# KiCad board W1-AT PCB.kicad_pcb
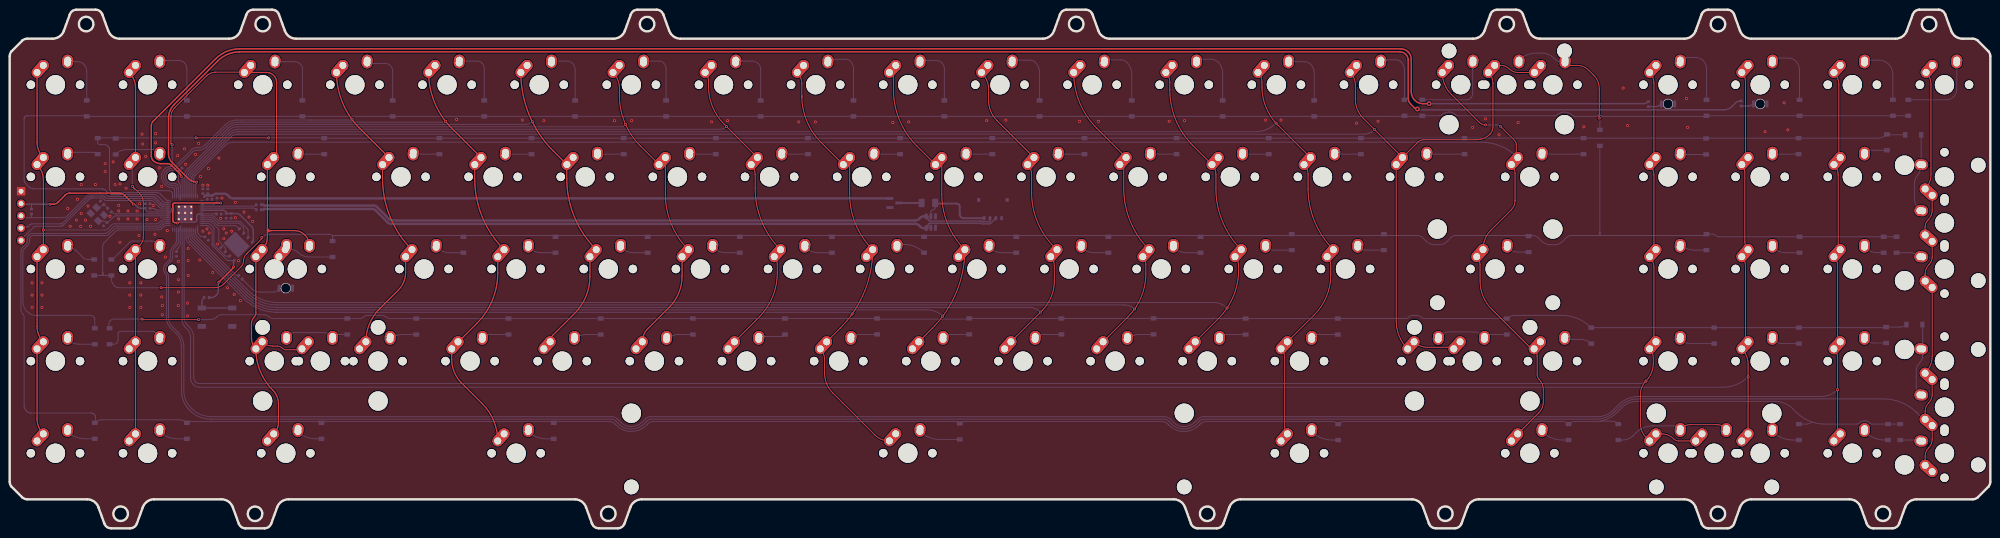
[diagram p0: board, top side]
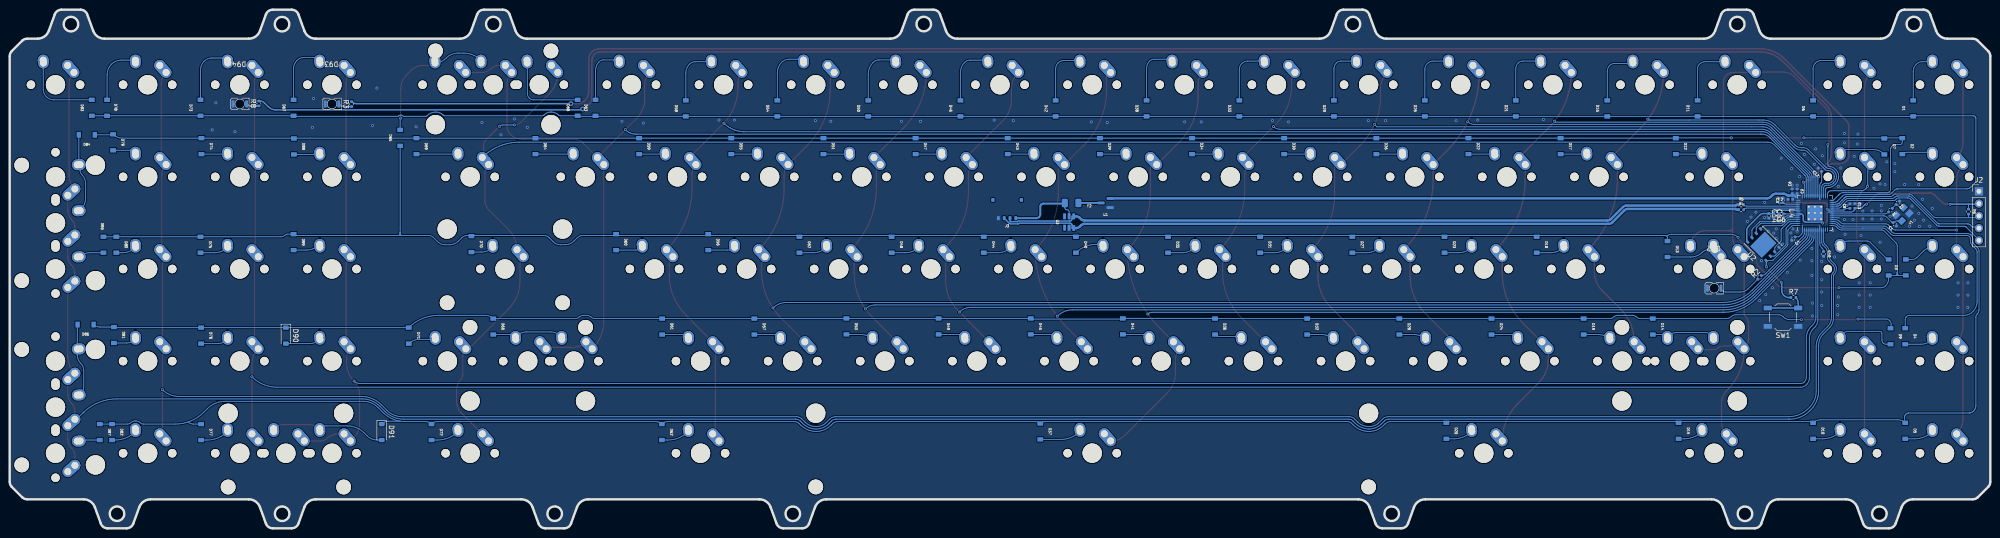
[diagram p1: board, bottom side, seen from below]

Outline 409.47 x 107.25 mm; copper layers: Top, Bottom. Coordinates in mm from the lower left corner of the outline.
Outline path: circle c15.81,104.27 r1.5 ; circle c22.94,3.02 r1.5 ; circle c50.73,3 r1.5 ; circle c52.32,104.26 r1.5 ; circle c123.76,3.02 r1.5 ; circle c131.77,104.26 r1.5 ; circle c220.49,104.27 r1.5 ; circle c247.57,3.01 r1.5 ; circle c296.79,3.02 r1.5 ; circle c309.49,104.27 r1.5 ; circle c353.14,3.01 r1.5 ; circle c353.16,104.25 r1.5 ; circle c387.27,3.02 r1.5 ; circle c396.8,104.26 r1.5 ; 0,97.63 0,9.62 arc(0.11,9.05) 0.44,8.56 2.56,6.44 arc(3.05,6.11) 3.62,6 16,6 arc(17.43,5.55) 18.35,4.36 19.57,0.99 arc(20.12,0.27) 20.98,0 24.88,0 arc(25.74,0.27) 26.29,0.99 27.52,4.36 arc(28.43,5.55) 29.87,6 43.78,6 arc(45.21,5.55) 46.13,4.36 47.36,0.99 arc(47.9,0.27) 48.77,0 52.66,0 arc(53.53,0.27) 54.07,0.99 55.3,4.36 arc(56.22,5.55) 57.65,6 116.81,6 arc(118.24,5.55) 119.15,4.36 120.38,0.99 arc(120.93,0.27) 121.79,0 125.69,0 arc(126.55,0.27) 127.1,0.99 128.33,4.36 arc(129.24,5.55) 130.67,6 240.63,6 arc(242.06,5.55) 242.98,4.36 244.21,0.99 arc(244.75,0.27) 245.62,0 249.51,0 arc(250.38,0.27) 250.92,0.99 252.15,4.36 arc(253.07,5.55) 254.5,6 289.84,6 arc(291.28,5.55) 292.19,4.36 293.42,0.99 arc(293.97,0.27) 294.83,0 298.73,0 arc(299.59,0.27) 300.14,0.99 301.36,4.36 arc(302.28,5.55) 303.71,6 346.2,6 arc(347.63,5.55) 348.55,4.36 349.77,0.99 arc(350.32,0.27) 351.18,0 355.08,0 arc(355.94,0.27) 356.49,0.99 357.72,4.36 arc(358.63,5.55) 360.07,6 380.33,6 arc(381.76,5.55) 382.68,4.36 383.91,0.99 arc(384.45,0.27) 385.32,0 389.21,0 arc(390.08,0.27) 390.62,0.99 391.85,4.36 arc(392.77,5.55) 394.2,6 405.84,6 arc(406.42,6.11) 406.9,6.44 409.03,8.56 arc(409.35,9.05) 409.47,9.62 409.47,97.63 arc(409.35,98.2) 409.03,98.69 406.9,100.81 arc(406.42,101.14) 405.84,101.25 403.72,101.25 arc(402.29,101.7) 401.38,102.89 400.15,106.26 arc(399.6,106.98) 398.74,107.25 394.84,107.25 arc(393.98,106.98) 393.43,106.26 392.2,102.89 arc(391.29,101.7) 389.86,101.25 360.07,101.25 arc(358.63,101.7) 357.72,102.89 356.49,106.26 arc(355.94,106.98) 355.08,107.25 351.18,107.25 arc(350.32,106.98) 349.77,106.26 348.55,102.89 arc(347.63,101.7) 346.2,101.25 316.41,101.25 arc(314.98,101.7) 314.06,102.89 312.84,106.26 arc(312.29,106.98) 311.43,107.25 307.53,107.25 arc(306.67,106.98) 306.12,106.26 304.89,102.89 arc(303.98,101.7) 302.54,101.25 227.42,101.25 arc(225.99,101.7) 225.08,102.89 223.85,106.26 arc(223.3,106.98) 222.44,107.25 218.54,107.25 arc(217.68,106.98) 217.13,106.26 215.9,102.89 arc(214.99,101.7) 213.56,101.25 138.7,101.25 arc(137.27,101.7) 136.35,102.89 135.12,106.26 arc(134.58,106.98) 133.71,107.25 129.82,107.25 arc(128.95,106.98) 128.41,106.26 127.18,102.89 arc(126.26,101.7) 124.83,101.25 59.24,101.25 arc(57.8,101.7) 56.89,102.89 55.66,106.26 arc(55.11,106.98) 54.25,107.25 50.35,107.25 arc(49.49,106.98) 48.94,106.26 47.72,102.89 arc(46.8,101.7) 45.37,101.25 22.72,101.25 arc(21.29,101.7) 20.38,102.89 19.15,106.26 arc(18.6,106.98) 17.74,107.25 13.84,107.25 arc(12.98,106.98) 12.43,106.26 11.2,102.89 arc(10.29,101.7) 8.86,101.25 3.62,101.25 arc(3.05,101.14) 2.56,100.81 0.44,98.69 arc(0.11,98.2) 0,97.63
Stack: Top 0.035mm / dielectric 1.51mm FR4 er 4.5 / Bottom 0.035mm

## Placement (name value [footprint] x y rotation side)
C1  22uF  [C_0402_1005Metric]  19.75 62.88 45 bottom
C2  22uF  [C_0402_1005Metric]  19.12 67.32 315 bottom
C3  1uF  [C_0402_1005Metric]  42.86 67.82 90 bottom
C4  1uF  [C_0402_1005Metric]  40.71 59.91 315 bottom
C5  100nF  [C_0402_1005Metric]  39.94 69.69 90 bottom
C6  100nF  [C_0402_1005Metric]  43.25 64.99 0 bottom
C7  100nF  [C_0402_1005Metric]  41.34 68.04 0 bottom
C8  100nF  [C_0402_1005Metric]  29.02 66.64 90 bottom
C9  100nF  [C_0402_1005Metric]  40.96 69.69 90 bottom
C10  100nF  [C_0402_1005Metric]  34.48 56.74 270 bottom
C11  100nF  [C_0402_1005Metric]  44.77 64.61 270 bottom
C12  100nF  [C_0402_1005Metric]  35.24 74.14 45 bottom
C13  100nF  [C_0402_1005Metric]  28.01 66.67 90 bottom
C14  100nF  [C_0402_1005Metric]  45.79 64.61 270 bottom
D1  D_Small  [D_SOD-123]  15.94 86.84 90 bottom
D2  D_Small  [D_SOD-123]  18.19 79.03 270 bottom
D3  D_Small  [D_SOD-123]  17.46 53.95 90 bottom
D4  D_Small  [D_SOD-123]  17.59 39.72 270 bottom
D5  D_Small  [D_SOD-123]  17.59 20.16 270 bottom
D6  D_Small  [D_SOD-123]  36.64 86.84 90 bottom
D7  D_Small  [D_SOD-123]  21.91 78.96 270 bottom
D8  D_Small  [D_SOD-123]  21.02 53.94 90 bottom
D9  D_Small  [D_SOD-123]  20.64 39.72 270 bottom
D10  D_Small  [D_SOD-123]  36.64 20.16 270 bottom
D11  D_Small  [D_SOD-123]  60.52 86.84 90 bottom
D12  D_Small  [D_SOD-123]  65.03 79.03 270 bottom
D13  D_Small  [D_SOD-123]  66.74 57.75 270 bottom
D14  D_Small  [D_SOD-123]  69.79 41.72 270 bottom
D15  D_Small  [D_SOD-123]  64.45 20.16 270 bottom
D16  D_Small  [D_SOD-123]  79.19 86.84 90 bottom
D17  D_Small  [D_SOD-123]  88.84 79.03 270 bottom
D18  D_Small  [D_SOD-123]  93.79 58.64 270 bottom
D19  D_Small  [D_SOD-123]  84.08 41.72 270 bottom
D20  D_Small  [D_SOD-123]  112.46 20.16 270 bottom
D21  D_Small  [D_SOD-123]  98.11 86.84 90 bottom
D22  D_Small  [D_SOD-123]  107.89 79.03 270 bottom
D23  D_Small  [D_SOD-123]  112.84 58.64 270 bottom
D24  D_Small  [D_SOD-123]  103.13 41.72 270 bottom
D25  D_Small  [D_SOD-123]  116.91 86.84 90 bottom
D26  D_Small  [D_SOD-123]  126.94 79.03 270 bottom
D27  D_Small  [D_SOD-123]  131.89 58.64 270 bottom
D28  D_Small  [D_SOD-123]  122.18 41.72 270 bottom
D29  D_Small  [D_SOD-123]  135.7 86.84 90 bottom
D30  D_Small  [D_SOD-123]  145.99 79.03 270 bottom
D31  D_Small  [D_SOD-123]  150.94 58.64 270 bottom
D32  D_Small  [D_SOD-123]  141.23 41.72 270 bottom
D33  D_Small  [D_SOD-123]  155.26 86.84 90 bottom
D34  D_Small  [D_SOD-123]  165.04 79.03 270 bottom
D35  D_Small  [D_SOD-123]  169.99 58.64 270 bottom
D36  D_Small  [D_SOD-123]  160.28 41.72 270 bottom
D37  D_Small  [D_SOD-123]  196.41 20.04 270 bottom
D38  D_Small  [D_SOD-123]  174.44 86.84 90 bottom
D39  D_Small  [D_SOD-123]  184.09 79.03 270 bottom
D40  D_Small  [D_SOD-123]  189.04 58.64 270 bottom
D41  D_Small  [D_SOD-123]  179.33 41.75 270 bottom
D42  D_Small  [D_SOD-123]  193.23 86.84 90 bottom
D43  D_Small  [D_SOD-123]  203.14 79.03 270 bottom
D44  D_Small  [D_SOD-123]  208.09 58.64 270 bottom
D45  D_Small  [D_SOD-123]  198.38 41.75 270 bottom
D46  D_Small  [D_SOD-123]  212.92 86.84 90 bottom
D47  D_Small  [D_SOD-123]  222.19 79.03 270 bottom
D48  D_Small  [D_SOD-123]  227.14 58.64 270 bottom
D49  D_Small  [D_SOD-123]  217.43 41.75 270 bottom
D50  D_Small  [D_SOD-123]  231.97 86.84 90 bottom
D51  D_Small  [D_SOD-123]  241.24 79.03 270 bottom
D52  D_Small  [D_SOD-123]  246.19 58.64 270 bottom
D53  D_Small  [D_SOD-123]  236.48 41.75 270 bottom
D54  D_Small  [D_SOD-123]  250.76 86.84 90 bottom
D55  D_Small  [D_SOD-123]  260.29 79.03 270 bottom
D56  D_Small  [D_SOD-123]  265.05 59.18 270 bottom
D57  D_Small  [D_SOD-123]  255.53 41.72 270 bottom
D58  D_Small  [D_SOD-123]  269.69 86.84 90 bottom
D59  D_Small  [D_SOD-123]  279.34 79.03 270 bottom
D60  D_Small  [D_SOD-123]  284.1 59.18 270 bottom
D61  D_Small  [D_SOD-123]  274.58 41.72 270 bottom
D62  D_Small  [D_SOD-123]  274.64 19.91 270 bottom
D63  D_Small  [D_SOD-123]  288.36 86.96 90 bottom
D64  D_Small  [D_SOD-123]  300.77 79.03 270 bottom
D65  D_Small  [D_SOD-123]  328.74 80.74 90 bottom
D66  D_Small  [D_SOD-123]  309.5 41.72 270 bottom
D67  D_Small  [D_SOD-123]  350.78 86.96 90 bottom
D68  D_Small  [D_SOD-123]  292.04 86.96 90 bottom
D69  D_Small  [D_SOD-123]  325.38 79.03 270 bottom
D70  D_Small  [D_SOD-123]  314.01 58.77 270 bottom
D71  D_Small  [D_SOD-123]  326.96 39.85 270 bottom
D72  D_Small  [D_SOD-123]  322.26 19.91 270 bottom
D73  D_Small  [D_SOD-123]  370.02 86.96 90 bottom
D74  D_Small  [D_SOD-123]  369.83 79.03 270 bottom
D75  D_Small  [D_SOD-123]  370.02 58.64 270 bottom
D76  D_Small  [D_SOD-123]  369.89 39.85 270 bottom
D77  D_Small  [D_SOD-123]  369.89 19.91 270 bottom
D78  D_Small  [D_SOD-123]  389.32 86.96 90 bottom
D79  D_Small  [D_SOD-123]  388.08 79.82 270 bottom
D80  D_Small  [D_SOD-123]  387.42 58.64 270 bottom
D81  D_Small  [D_SOD-123]  387.92 39.97 270 bottom
D82  D_Small  [D_SOD-123]  388.3 19.91 270 bottom
D83  D_Small  [D_SOD-123]  392.5 86.96 90 bottom
D84  D_Small  [D_SOD-123]  393.51 81.38 0 bottom
D85  D_Small  [D_SOD-123]  390.08 58.64 270 bottom
D86  D_Small  [D_SOD-123]  393.77 42.13 0 bottom
D87  D_Small  [D_SOD-123]  390.84 19.91 270 bottom
D88  D_Small  [D_SOD-123]  350.71 78.96 270 bottom
D89  D_Small  [D_SOD-123]  350.78 59.18 270 bottom
D90  D_Small  [D_SOD-123#2]  352.36 39.85 270 bottom
D91  D_Small  [D_SOD-123#2]  332.55 19.91 270 bottom
D92  -  [EverlightSMD,1.3x3.2]  57.09 49.66 180 bottom
D93  -  [EverlightSMD,1.3x3.2]  342.84 87.76 180 bottom
D94  -  [EverlightSMD,1.3x3.2]  361.89 87.76 180 bottom
F2  500mA  [Fuse_1206_3216Metric]  189.93 67.28 0 bottom
J2  Conn_01x05  [PinHeader_1x05_P2.54mm_Vertical]  2.35 69.69 180 bottom
J3  Conn_01x04  [Molex_Pico-EZmate_78171-0004_1x04-1MP_P1.20mm_Vertical]  203.27 66.01 0 bottom
R1  1k  [R_0402_1005Metric]  20.64 65.8 315 bottom
R2  175Ohm  [R_0402_1005Metric]  47.69 51.91 135 bottom
R3  175Ohm  [R_0402_1005Metric]  338.77 87.73 90 bottom
R4  27Ohm  [R_0402_1005Metric]  51.5 65.88 180 bottom
R5  27Ohm  [R_0402_1005Metric]  51.5 66.9 180 bottom
R6  10kOhm  [R_0402_1005Metric]  4.51 65.5 270 bottom
R7  1kOhm  [R_0402_1005Metric]  40.71 47.72 180 bottom
R8  175Ohm  [R_0402_1005Metric]  357.95 87.86 90 bottom
SW1  SW_Push  [SW_SPST_TL3342]  42.86 43.66 0 bottom
SW2  MX_SW_solder  [MX-1U-NoLED]  9.46 91.73 0 top
SW3  MX_SW_solder  [MX-1U-NoLED]  9.46 72.68 0 top
SW4  MX_SW_solder  [MX-1U-NoLED]  9.46 53.63 0 top
SW5  MX_SW_solder  [MX-1U-NoLED]  9.46 34.58 0 top
SW6  MX_SW_solder  [MX-1U-NoLED]  9.46 15.53 0 top
SW7  MX_SW_solder  [MX-1U-NoLED]  28.51 91.73 0 top
SW8  MX_SW_solder  [MX-1U-NoLED]  28.51 72.68 0 top
SW9  MX_SW_solder  [MX-1U-NoLED]  28.51 53.63 0 top
SW10  MX_SW_solder  [MX-1U-NoLED]  28.51 34.58 0 top
SW11  MX_SW_solder  [MX-1U-NoLED]  28.51 15.53 0 top
SW12  ESC  [MX-1U-NoLED]  52.33 91.73 0 top
SW13  TAB  [MX-1.5U-NoLED]  57.09 72.68 0 top
SW14  CAPS  [MX-1.75U-NoLED]  59.47 53.63 0 top
SW15  LSFT  [MX-2.25U-NoLED]  64.23 34.58 0 top
SW16  LCTL  [MX-1.5U-NoLED]  57.09 15.53 0 top
SW17  1  [MX-1U-NoLED]  71.38 91.73 0 top
SW18  Q  [MX-1U-NoLED]  80.9 72.68 0 top
SW19  A  [MX-1U-NoLED]  85.66 53.63 0 top
SW20  ~{LSFT}  [MX-1U-NoLED]  76.14 34.58 0 top
SW21  LALT  [MX-1.5U-NoLED]  104.71 15.53 0 top
SW22  2  [MX-1U-NoLED]  90.43 91.73 0 top
SW23  W  [MX-1U-NoLED]  99.95 72.68 0 top
SW24  S  [MX-1U-NoLED]  104.71 53.63 0 top
SW25  Z  [MX-1U-NoLED]  95.19 34.58 0 top
SW26  3  [MX-1U-NoLED]  109.48 91.73 0 top
SW27  E  [MX-1U-NoLED]  119 72.68 0 top
SW28  D  [MX-1U-NoLED]  123.76 53.63 0 top
SW29  X  [MX-1U-NoLED]  114.24 34.58 0 top
SW30  4  [MX-1U-NoLED]  128.53 91.73 0 top
SW31  R  [MX-1U-NoLED]  138.05 72.68 0 top
SW32  F  [MX-1U-NoLED]  142.81 53.63 0 top
SW33  C  [MX-1U-NoLED]  133.29 34.58 0 top
SW34  5  [MX-1U-NoLED]  147.58 91.73 0 top
SW35  T  [MX-1U-NoLED]  157.1 72.68 0 top
SW36  G  [MX-1U-NoLED]  161.86 53.63 0 top
SW37  V  [MX-1U-NoLED]  152.34 34.58 0 top
SW38  MX_SW_solder  [MX-7U-ReversedStabilizers-NoLED]  185.68 15.54 0 top
SW39  6  [MX-1U-NoLED]  166.63 91.73 0 top
SW40  Y  [MX-1U-NoLED]  176.15 72.68 0 top
SW41  H  [MX-1U-NoLED]  180.91 53.63 0 top
SW42  B  [MX-1U-NoLED]  171.39 34.58 0 top
SW43  7  [MX-1U-NoLED]  185.68 91.73 0 top
SW44  U  [MX-1U-NoLED]  195.2 72.68 0 top
SW45  J  [MX-1U-NoLED]  199.96 53.63 0 top
SW46  N  [MX-1U-NoLED]  190.44 34.58 0 top
SW47  8  [MX-1U-NoLED]  204.73 91.73 0 top
SW48  I  [MX-1U-NoLED]  214.25 72.68 0 top
SW49  K  [MX-1U-NoLED]  219.01 53.63 0 top
SW50  M  [MX-1U-NoLED]  209.49 34.58 0 top
SW51  9  [MX-1U-NoLED]  223.78 91.73 0 top
SW52  O  [MX-1U-NoLED]  233.3 72.68 0 top
SW53  L  [MX-1U-NoLED]  238.06 53.63 0 top
SW54  <  [MX-1U-NoLED]  228.54 34.58 0 top
SW55  0  [MX-1U-NoLED]  242.83 91.73 0 top
SW56  P  [MX-1U-NoLED]  252.35 72.68 0 top
SW57  :  [MX-1U-NoLED]  257.11 53.63 0 top
SW58  >  [MX-1U-NoLED]  247.59 34.58 0 top
SW59  -  [MX-1U-NoLED]  261.88 91.73 0 top
SW60  {  [MX-1U-NoLED]  271.4 72.68 0 top
SW61  "  [MX-1U-NoLED]  276.16 53.63 0 top
SW62  ?  [MX-1U-NoLED]  266.64 34.58 0 top
SW63  RALT  [MX-1.5U-NoLED]  266.64 15.53 0 top
SW64  +  [MX-1U-NoLED]  280.93 91.73 0 top
SW65  }  [MX-1U-NoLED]  290.45 72.68 0 top
SW66  BSPACE  [MX-2U-NoLED]  309.5 91.73 0 top
SW67  NLCK  [MX-1U-NoLED]  342.84 91.73 0 top
SW68  RSFT  [MX-2.75U-NoLED]  302.36 34.58 0 top
SW69  ~{BSP|\}  [MX-1U-NoLED]  299.98 91.73 0 top
SW70  PIPE  [MX-1.5U-NoLED]  314.26 72.68 0 top
SW71  ENTER  [MX-2.25U-ReversedStabilizers-NoLED]  307.09 53.63 0 top
SW72  ~{FN}  [MX-1U-NoLED]  318.96 34.58 0 top
SW73  RCTL  [MX-1.5U-NoLED]  314.26 15.53 0 top
SW74  DIVIDE  [MX-1U-NoLED]  361.89 91.73 0 top
SW75  N8  [MX-1U-NoLED]  361.89 72.68 0 top
SW76  N5  [MX-1U-NoLED]  361.89 53.63 0 top
SW77  N2  [MX-1U-NoLED]  361.89 34.58 0 top
SW78  SPLIT N-ENTER  [MX-1U-NoLED]  399.99 15.53 90 top
SW79  MULT  [MX-1U-NoLED]  380.94 91.73 0 top
SW80  N9  [MX-1U-NoLED]  380.94 72.68 0 top
SW81  N6  [MX-1U-NoLED]  380.94 53.63 0 top
SW82  N3  [MX-1U-NoLED]  380.94 34.58 0 top
SW83  SPLIT N0  [MX-1U-NoLED]  361.89 15.53 0 top
SW84  N-  [MX-1U-NoLED]  399.99 91.73 0 top
SW85  N+  [MX-2U-ReversedStabilizers-NoLED]  399.99 63.15 90 top
SW86  SPLIT N+  [MX-1U-NoLED]  399.99 53.63 90 top
SW87  N-ENTER  [MX-2U-ReversedStabilizers-NoLED]  399.99 25.05 90 top
SW88  N.  [MX-1U-NoLED]  380.94 15.53 0 top
SW89  ~{CAPS}  [MX-1.25U-NoLED]  54.71 53.63 0 top
SW90  SPLITLSFT  [MX-1.25U-NoLED]  54.71 34.58 0 top
SW91  N7  [MX-1U-NoLED]  342.84 72.68 0 top
SW92  ~{RSFT}  [MX-1.75U-NoLED]  292.83 34.58 0 top
SW93  N4  [MX-1U-NoLED]  342.84 53.63 0 top
SW94  ~{N+}  [MX-1U-NoLED]  399.99 72.68 90 top
SW95  ~{N-ENTER}  [MX-1U-NoLED]  399.99 34.58 90 top
SW96  N1  [MX-1U-NoLED]  342.84 34.58 0 top
SW97  N0  [MX-2U-ReversedStabilizers-NoLED]  352.36 15.53 0 top
SW98  ~{N0}  [MX-1U-NoLED]  342.84 15.53 0 top
SW99  ~{BSPACE}  [MX-1U-NoLED]  319.03 91.73 0 top
U1  XC6206PxxxMR  [SOT-23]  182.9 67.28 0 bottom
U2  W25Q32JVSS  [WSON-8-1EP_6x5mm_P1.27mm_EP3.4x4.3mm]  46.93 58.64 45 bottom
U3  SRV05-4  [SOT-23-6-routable]  190.44 63.34 90 bottom
U4  RP2040  [RP2040-QFN-56]  36.26 65.22 90 bottom
Y1  12MHz  [Crystal_SMD_3225-4Pin_3.2x2.5mm]  18.13 64.95 315 bottom

## Library data of the parts
C1-C4 = -: Description: Unpolarized capacitor, small symbol
C5 = -: Description: Unpolarized capacitor, small symbol; LCSC: C52923
C6-C14 = -: Description: Unpolarized capacitor, small symbol; LCSC: C1525
D1-D91 = -: Description: Diode, small symbol
D92-D94 = -: Description: Light emitting diode, small symbol
F2 = -: Description: Resettable fuse, polymeric positive temperature coefficient, small symbol
J2 = -: Description: Generic connector, single row, 01x05, script generated (kicad-library-utils/schlib/autogen/connector/)
J3 = -: Description: Generic connector, single row, 01x04, script generated (kicad-library-utils/schlib/autogen/connector/)
R1-R8 = -: Description: Resistor, small symbol
SW1 = -: Description: Push button switch, generic, two pins
SW2-SW99 = -: Description: Push button switch, normally open, two pins, 45° tilted
U1 = -: Description: Positive 60-250mA Low Dropout Regulator, Fixed Output, SOT-23
U2 = -: Description: 32Mb Serial Flash Memory, Standard/Dual/Quad SPI, SOIC-8
U3 = -: Description: ESD Protection Diodes with Low Clamping Voltage, SOT-23-6
U4 = -: Description: A microcontroller by Raspberry Pi
Y1 = -: Description: Four pin crystal, GND on pins 2 and 4, small symbol

## Footprints (pads in the part's own frame, mm; a bottom-side part is the same pattern mirrored in y, then rotated)
C_0402_1005Metric
  rrect 0.56x0.62 smd: 1(-0.48,0) 2(0.48,0)
Crystal_SMD_3225-4Pin_3.2x2.5mm
  rect 1.4x1.2 smd: 1(-1.1,-0.85) 2(1.1,-0.85) 3(1.1,0.85) 4(-1.1,0.85)
D_SOD-123
  rect 0.9x1.2 smd: 1(-1.65,0) 2(1.65,0)
D_SOD-123#2
  rrect 0.9x1.2 smd: 1(-1.65,0) 2(1.65,0)
EverlightSMD,1.3x3.2
  rrect 0.6x1.5 smd: 1(1.4,0) 2(-1.4,0)
Fuse_1206_3216Metric
  rrect 1.25x1.75 smd: 1(-1.4,0) 2(1.4,0)
Molex_Pico-EZmate_78171-0004_1x04-1MP_P1.20mm_Vertical
  rrect 0.6x0.85 smd: 1(-1.8,1.875) 2(-0.6,1.875) 3(0.6,1.875) 4(1.8,1.875)
  rrect 0.7x0.8 smd: MP(-2.95,-1.9) MP(2.95,-1.9)
MX-1.5U-NoLED
  round 1.75 hole 1.75 unplated: (-5.08,0) (5.08,0)
  round 3.988 hole 3.988 unplated: (0,0)
  oval 4.212x2.25 hole 1.47 rot 48.1: 1(-3.81,2.54)
  round 2.25 hole 1.47: 1(-2.5,4) 2(2.54,5.08)
  oval 2.831x2.25 hole 1.47 rot 86.1: 2(2.5,4.5)
MX-1.25U-NoLED
  round 1.75 hole 1.75 unplated: (-5.08,0) (5.08,0)
  round 3.988 hole 3.988 unplated: (0,0)
  oval 4.212x2.25 hole 1.47 rot 48.1: 1(-3.81,2.54)
  round 2.25 hole 1.47: 1(-2.5,4) 2(2.54,5.08)
  oval 2.831x2.25 hole 1.47 rot 86.1: 2(2.5,4.5)
MX-1.75U-NoLED
  round 1.75 hole 1.75 unplated: (-5.08,0) (5.08,0)
  round 3.988 hole 3.988 unplated: (0,0)
  oval 4.212x2.25 hole 1.47 rot 48.1: 1(-3.81,2.54)
  round 2.25 hole 1.47: 1(-2.5,4) 2(2.54,5.08)
  oval 2.831x2.25 hole 1.47 rot 86.1: 2(2.5,4.5)
MX-1U-NoLED
  round 1.75 hole 1.75 unplated: (-5.08,0) (5.08,0)
  round 3.988 hole 3.988 unplated: (0,0)
  oval 4.212x2.25 hole 1.47 rot 48.1: 1(-3.81,2.54)
  round 2.25 hole 1.47: 1(-2.5,4) 2(2.54,5.08)
  oval 2.831x2.25 hole 1.47 rot 86.1: 2(2.5,4.5)
MX-2.25U-NoLED
  round 3.048 hole 3.048 unplated: (-11.938,6.985) (11.938,6.985)
  round 3.988 hole 3.988 unplated: (-11.938,-8.255) (0,0) (11.938,-8.255)
  round 1.75 hole 1.75 unplated: (-5.08,0) (5.08,0)
  oval 4.212x2.25 hole 1.47 rot 48.1: 1(-3.81,2.54)
  round 2.25 hole 1.47: 1(-2.5,4) 2(2.54,5.08)
  oval 2.831x2.25 hole 1.47 rot 86.1: 2(2.5,4.5)
MX-2.25U-ReversedStabilizers-NoLED
  round 3.988 hole 3.988 unplated: (-11.938,8.255) (0,0) (11.938,8.255)
  round 3.048 hole 3.048 unplated: (-11.938,-6.985) (11.938,-6.985)
  round 1.75 hole 1.75 unplated: (-5.08,0) (5.08,0)
  oval 4.212x2.25 hole 1.47 rot 48.1: 1(-3.81,2.54)
  round 2.25 hole 1.47: 1(-2.5,4) 2(2.54,5.08)
  oval 2.831x2.25 hole 1.47 rot 86.1: 2(2.5,4.5)
MX-2.75U-NoLED
  round 3.048 hole 3.048 unplated: (-11.938,6.985) (11.938,6.985)
  round 3.988 hole 3.988 unplated: (-11.938,-8.255) (0,0) (11.938,-8.255)
  round 1.75 hole 1.75 unplated: (-5.08,0) (5.08,0)
  oval 4.212x2.25 hole 1.47 rot 48.1: 1(-3.81,2.54)
  round 2.25 hole 1.47: 1(-2.5,4) 2(2.54,5.08)
  oval 2.831x2.25 hole 1.47 rot 86.1: 2(2.5,4.5)
MX-2U-NoLED
  round 3.048 hole 3.048 unplated: (-11.938,6.985) (11.938,6.985)
  round 3.988 hole 3.988 unplated: (-11.938,-8.255) (0,0) (11.938,-8.255)
  round 1.75 hole 1.75 unplated: (-5.08,0) (5.08,0)
  oval 4.212x2.25 hole 1.47 rot 48.1: 1(-3.81,2.54)
  round 2.25 hole 1.47: 1(-2.5,4) 2(2.54,5.08)
  oval 2.831x2.25 hole 1.47 rot 86.1: 2(2.5,4.5)
MX-2U-ReversedStabilizers-NoLED
  round 3.988 hole 3.988 unplated: (-11.938,8.255) (0,0) (11.938,8.255)
  round 3.048 hole 3.048 unplated: (-11.938,-6.985) (11.938,-6.985)
  round 1.75 hole 1.75 unplated: (-5.08,0) (5.08,0)
  oval 4.212x2.25 hole 1.47 rot 48.1: 1(-3.81,2.54)
  round 2.25 hole 1.47: 1(-2.5,4) 2(2.54,5.08)
  oval 2.831x2.25 hole 1.47 rot 86.1: 2(2.5,4.5)
MX-7U-ReversedStabilizers-NoLED
  round 3.988 hole 3.988 unplated: (-57.15,8.255) (0,0) (57.15,8.255)
  round 3.048 hole 3.048 unplated: (-57.15,-6.985) (57.15,-6.985)
  round 1.75 hole 1.75 unplated: (-5.08,0) (5.08,0)
  oval 4.212x2.25 hole 1.47 rot 48.1: 1(-3.81,2.54)
  round 2.25 hole 1.47: 1(-2.5,4) 2(2.54,5.08)
  oval 2.831x2.25 hole 1.47 rot 86.1: 2(2.5,4.5)
PinHeader_1x05_P2.54mm_Vertical
  rect 1.7x1.7 hole 1: 1(0,0)
  oval 1.7x1.7 hole 1: 2(0,-2.54) 3(0,-5.08) 4(0,-7.62) 5(0,-10.16)
R_0402_1005Metric
  rrect 0.54x0.64 smd: 1(-0.51,0) 2(0.51,0)
RP2040-QFN-56
  rrect 1.084x1.084 smd: (-0.637,-0.637) (-0.637,0.637) (0.637,-0.637) (0.637,0.637)
  rrect 0.875x0.2 smd: 1(-3.438,2.6) 2(-3.438,2.2) 3(-3.438,1.8) 4(-3.438,1.4) 5(-3.438,1) 6(-3.438,0.6) 7(-3.438,0.2) 8(-3.438,-0.2) 9(-3.438,-0.6) 10(-3.438,-1) 11(-3.438,-1.4) 12(-3.438,-1.8) 13(-3.438,-2.2) 14(-3.438,-2.6) 29(3.438,-2.6) 30(3.438,-2.2) 31(3.438,-1.8) 32(3.438,-1.4) 33(3.438,-1) 34(3.438,-0.6) 35(3.438,-0.2) 36(3.438,0.2) 37(3.438,0.6) 38(3.438,1) 39(3.438,1.4) 40(3.438,1.8) 41(3.438,2.2) 42(3.438,2.6)
  rrect 0.2x0.875 smd: 15(-2.6,-3.438) 16(-2.2,-3.438) 17(-1.8,-3.438) 18(-1.4,-3.438) 19(-1,-3.438) 20(-0.6,-3.438) 21(-0.2,-3.438) 22(0.2,-3.438) 23(0.6,-3.438) 24(1,-3.438) 25(1.4,-3.438) 26(1.8,-3.438) 27(2.2,-3.438) 28(2.6,-3.438) 43(2.6,3.438) 44(2.2,3.438) 45(1.8,3.438) 46(1.4,3.438) 47(1,3.438) 48(0.6,3.438) 49(0.2,3.438) 50(-0.2,3.438) 51(-0.6,3.438) 52(-1,3.438) 53(-1.4,3.438) 54(-1.8,3.438) 55(-2.2,3.438) 56(-2.6,3.438)
  round 0.6 hole 0.35: 57(-1.275,-1.275) 57(-1.275,0) 57(-1.275,1.275) 57(0,-1.275) 57(0,0) 57(0,1.275) 57(1.275,-1.275) 57(1.275,0) 57(1.275,1.275)
  rrect 3.2x3.2 smd: 57(0,0)
SOT-23
  rrect 1.475x0.6 smd: 1(-0.938,0.95) 2(-0.938,-0.95) 3(0.938,0)
SOT-23-6-routable
  rrect 1.25x0.6 smd: 1(-1.175,0.95) 2(-1.175,0) 3(-1.25,-0.95) 4(1.175,-0.95) 5(1.175,0) 6(1.175,0.95)
SW_SPST_TL3342
  rect 1.7x1 smd: 1(-3.15,1.9) 1(3.15,1.9) 2(-3.15,-1.9) 2(3.15,-1.9)
WSON-8-1EP_6x5mm_P1.27mm_EP3.4x4.3mm
  rrect 1.37x1.73 smd: (-0.85,-1.075) (-0.85,1.075) (0.85,-1.075) (0.85,1.075)
  rrect 0.75x0.5 smd: 1(-2.7,1.905) 2(-2.7,0.635) 3(-2.7,-0.635) 4(-2.7,-1.905) 5(2.7,-1.905) 6(2.7,-0.635) 7(2.7,0.635) 8(2.7,1.905)
  rect 3.4x4.3 smd: 9(0,0)
